# KiCad board pandore.kicad_pcb (continued)
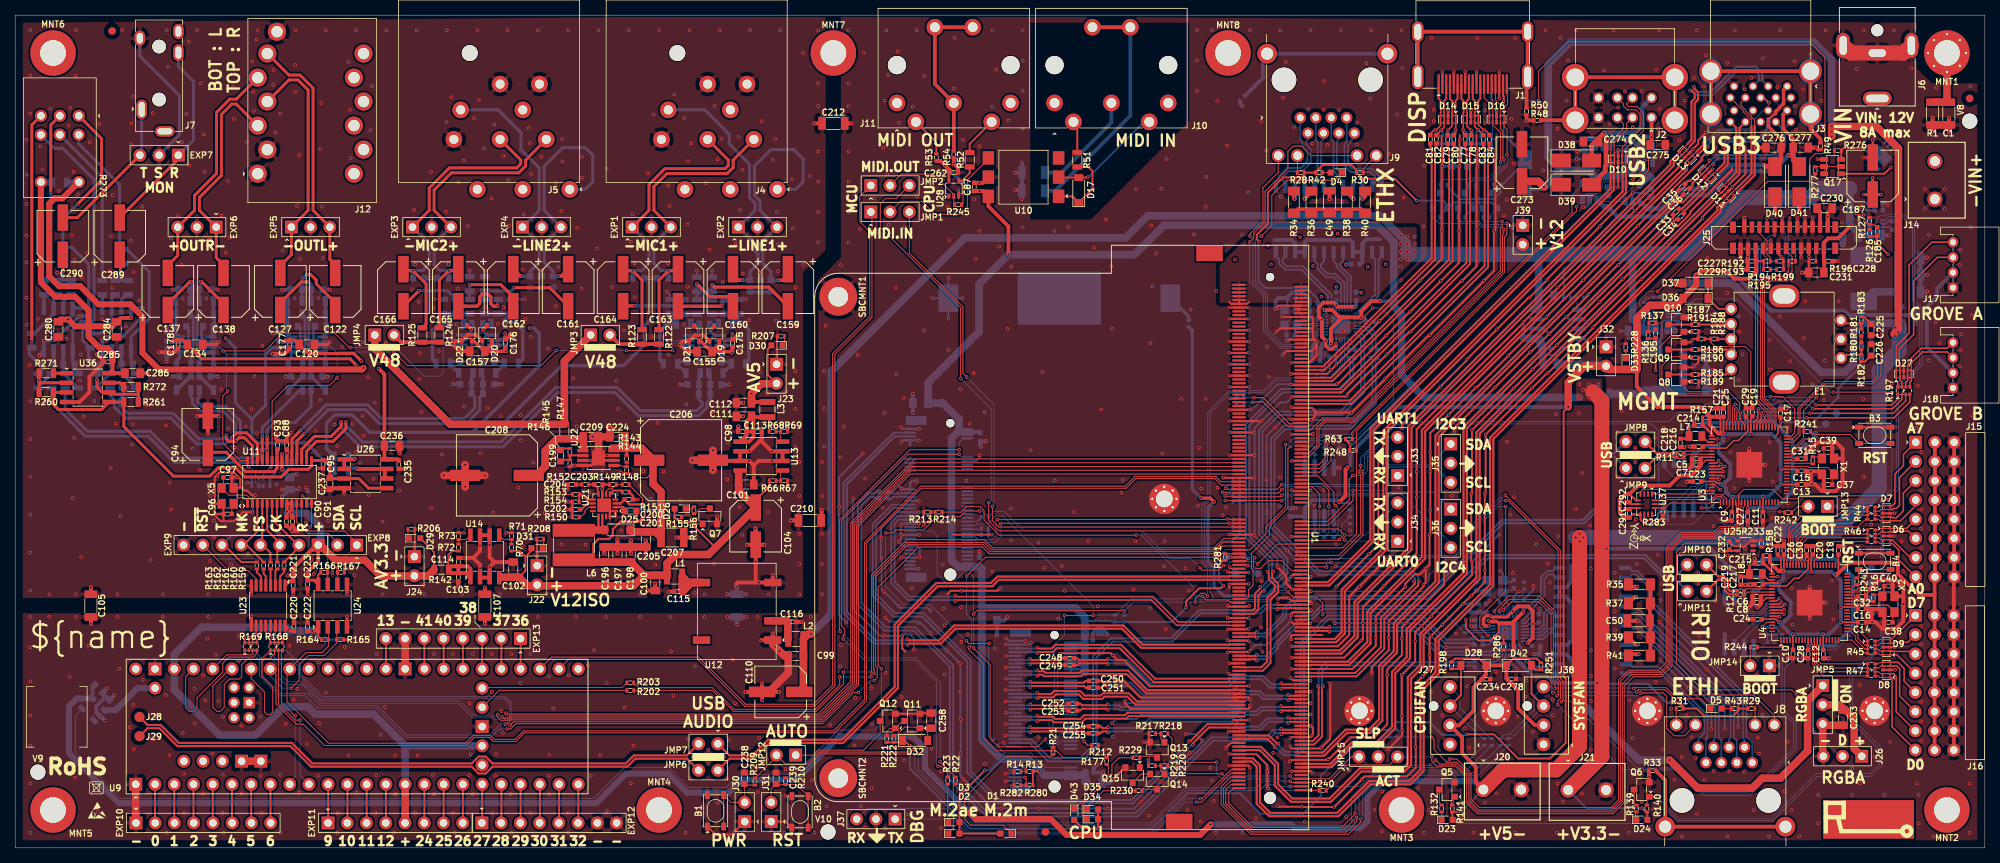
[diagram p0: board, top side]
## Routing (per net, layer and track width the routed paths; a pad name or vN(x,y) marks a point on that pad's centre or on a via; arc(x,y) is an arc through that point) (continued)
/Computer/USBP1.SSRX+: length 132.4
  Top w0.15: 224.55,85.95 225.16,86.56 D11.4 ; D11.4 225.84,87.26 226.31,87.73
  Top w0.2: D11.4 D11.4
  Top w0.28: J3.15 227.61,95.11 227.61,89.03 226.31,87.73 ; 224.55,85.95 193.31,54.71 193.31,35.51 185.91,28.11 185.91,24.01 184.26,22.36 184.26,10.97 183.38,10.09 177.69,10.09 173.69,6.09 168.41,6.09 166.28,8.21 166.28,10.91 164.29,12.91 162.31,12.91 162.28,12.88 U1.22
/Computer/USBP1.SSRX-: length 131.7
  Top w0.15: 224.25,86.25 224.9,86.9 D11.5 ; D11.5 225.49,87.51 226.01,88.03
  Top w0.2: D11.5 D11.5
  Top w0.28: J3.14 227.18,95.11 227.18,89.21 226.01,88.03 ; U1.24 162.28,13.38 162.31,13.34 164.46,13.34 166.72,11.09 166.72,8.39 168.59,6.51 173.51,6.51 177.51,10.51 183.2,10.51 183.84,11.15 183.84,22.54 185.49,24.19 185.49,28.29 192.88,35.69 192.88,54.89 224.25,86.25
/Computer/USBP1.SSTX+: length 98.8
  Top w0.28: C36.2 219.78,85.88 219.49,85.88 187.91,54.31 187.91,35.01 182.41,29.51 182.41,25.81 180.47,23.87 180.47,16.81 178.85,15.19 175.79,15.19 172.76,12.16 170.51,12.16 170.47,12.12 U1.19
/Computer/USBP1.SSTX-: length 98.4
  Top w0.28: C35.2 219.18,86.48 219.18,86.19 187.49,54.49 187.49,35.19 181.99,29.69 181.99,25.99 180.04,24.05 180.04,16.99 178.67,15.62 175.61,15.62 172.59,12.59 170.51,12.59 170.47,12.62 U1.21
/Computer/VUSB.EN: length 91.5
  Top w0.127: v1(205.5,85.4) 205.5,83.9 176.5,54.9 v1(176.5,54.71) R63.1 ; U1.128 162.97,39.38 165.1,41.5 165.1,42.4 167.7,45 v1(167.7,53.3) ; v1(213.55,88.3) 215.12,89.86 v1(215.12,90.78)
  Bottom w0.127: 206.9,87.6 205.5,86.2 v1(205.5,85.4) ; 206.9,87.6 207.6,86.9 209.2,86.9 209.5,87.2 209.5,87.8 209.7,88 212.5,88 212.55,87.95 U31.4 213.25,88.3 v1(213.55,88.3) ; 206.9,87.6 U32.4 ; U30.4 215.79,90.78 v1(215.12,90.78) 214.5,91.4 213.9,91.4 213.6,91.1 213.6,90.5 213.33,90.23 212.28,90.23 212.08,90.44 U29.4 ; v1(176.5,54.71) 176.39,54.6 172.4,54.6 171.9,54.1 168.8,54.1 168,53.3 v1(167.7,53.3)
/Display/_HDMI.CLK+: length 8.3
  Top w0.2: 192.68,97.81 192.7,97.78 192.7,97.14 192.65,97.09 D15.2 D15.2 192.65,95.3 C83.1
  Top w0.25: 192.68,97.81 192.68,98.67 192.4,98.95 J1.10
  Bottom w0.2: R56.7 192.88,94.57 v1(193.13,94.82)
/Display/_HDMI.CLK-: length 8.6
  Top w0.2: 193.12,97.81 193.1,97.78 193.1,97.14 193.15,97.09 D15.1 D15.1 193.15,95.53 193.83,94.85 v1(193.87,94.85) 194.03,94.85 194.6,94.28 C84.1
  Top w0.25: J1.12 193.4,98.95 193.12,98.67 193.12,97.81
  Bottom w0.2: v1(193.87,94.85) 193.43,94.41 R56.8
/Display/_HDMI.D0+: length 8.1
  Top w0.2: 191.18,97.82 191.2,97.8 191.2,97.14 191.15,97.09 D15.5 D15.5 191.15,94.4 C77.1
  Top w0.25: J1.7 190.9,98.95 191.18,98.67 191.18,97.82
  Bottom w0.2: R56.5 191.83,94.17 v1(191.15,94.85)
/Display/_HDMI.D0-: length 8
  Top w0.2: 191.62,97.82 191.6,97.8 191.6,97.14 191.65,97.09 D15.4 D15.4 191.65,95.33 v1(192.19,94.79) 192.19,94.16 C78.1
  Top w0.25: J1.9 191.9,98.95 191.62,98.67 191.62,97.82
  Bottom w0.2: v1(192.19,94.79) 192.38,94.6 R56.6
/Display/_HDMI.D1+: length 8
  Top w0.2: 189.68,97.82 189.7,97.8 189.7,97.14 189.65,97.09 D14.2 D14.2 189.65,95.33 v1(189.13,94.81) 189.1,94.78 C79.1
  Top w0.25: 189.68,97.82 189.68,98.67 189.4,98.95 J1.4
  Bottom w0.2: R55.7 188.96,94.64 v1(189.13,94.81)
/Display/_HDMI.D1-: length 8.1
  Top w0.2: C80.1 190.15,94.4 D14.1 D14.1 190.15,97.09 190.1,97.14 190.1,97.8 190.12,97.82
  Top w0.25: J1.6 190.4,98.95 190.12,98.67 190.12,97.82
  Bottom w0.2: R55.8 189.51,94.19 v1(190.15,94.83)
/Display/_HDMI.D2+: length 8.7
  Top w0.2: 188.18,97.82 188.2,97.8 188.2,97.14 188.15,97.09 D14.5 D14.5 188.15,95.4 187.57,94.82 v1(187.42,94.82) 187.36,94.88 187.33,94.88 186.8,94.35 C81.1
  Top w0.25: J1.1 187.9,98.95 188.18,98.67 188.18,97.82
  Bottom w0.2: v1(187.42,94.82) 187.91,94.33 R55.5
/Display/_HDMI.D2-: length 8.2
  Top w0.2: C82.1 188.65,95.2 D14.4 D14.4 188.65,97.09 188.6,97.14 188.6,97.8 188.62,97.82
  Top w0.25: 188.62,97.82 188.62,98.67 188.9,98.95 J1.3
  Bottom w0.2: R55.6 188.46,94.58 v1(188.25,94.8)
/External Ethernet/ETH.VCORE: length 21.7
  Top w0.4: v1(174.36,66.57) 174.36,66.41 173.84,65.89 173.42,65.89 173,66.31 v1(173,67)
  Top w0.5: v1(176.82,71.48) 174.6,71.48 v1(174.38,71.7) 174.05,72.03 172.68,72.03 172.07,71.42 172.07,70.21 v1(172.5,69.78) 172.5,67.5 v1(173,67)
  Bottom w0.2: U7.8 176.42,71.08 v1(176.82,71.48) ; U7.24 173.43,67.28 173.13,66.98 173.04,66.98 ; U7.22 174.38,66.64 ; U7.3 v1(174.38,71.7) ; U7.30 v1(172.5,69.78)
  Bottom w0.25: v1(174.36,66.57) 174.36,66.62 174.38,66.64 ; 173.12,66.98 173.1,67 v1(173,67)
  Bottom w0.5: v1(176.82,71.48) 177.01,71.67 C57.2 ; v1(172.5,69.78) 172.1,69.78 C59.2 ; C53.2 174.36,65.96 174.36,66.57 ; C65.2 172.29,64.33 C63.2 172.29,65.99 C61.2 172.56,66.56 v1(173,67) ; v1(174.38,71.7) C55.2
/External Ethernet/ETHPCIE.RX+: length 5.4
  Bottom w0.15: U7.13 177.24,68.98 177.3,68.93 177.63,68.93 177.75,68.81 178.08,68.81
  Bottom w0.25: C41.1 179.61,66 179.61,67.97 178.77,68.81 178.08,68.81
/External Ethernet/ETHPCIE.RX-: length 4.6
  Bottom w0.15: 178.08,68.36 177.71,68.36 177.48,68.58 U7.14
  Bottom w0.25: C42.1 179.16,66 179.16,67.79 178.59,68.36 178.08,68.36
/External Ethernet/ETHPCIE.TX+: length 1.7
  Bottom w0.15: U7.17 176.38,66.58 176.81,66.16 C45.1
/External Ethernet/ETHPCIE.TX-: length 1.5
  Bottom w0.15: U7.18 175.98,65.83 C46.1
/External Ethernet/MDI0+: length 11.9
  Bottom w0.15: U7.1 173.56,71.1 173.56,71.38 173.31,71.64 173.31,72.09
  Bottom w0.25: T1.12 166.41,78.16 166.82,77.75 166.82,77.16 167.61,76.38 169.81,76.38 173.31,72.88 173.31,72.09
/External Ethernet/MDI0-: length 11.8
  Bottom w0.15: U7.2 173.98,71.38 173.75,71.61 173.75,72.09
  Bottom w0.25: 173.75,72.09 173.75,73.06 169.99,76.83 167.79,76.83 167.28,77.34 167.28,77.75 167.69,78.16 T1.11
/External Ethernet/MDI1+: length 9.8
  Bottom w0.15: U7.4 174.78,71.39 175,71.62 175,72.08
  Bottom w0.25: T1.8 171.5,77.48 171.91,77.07 171.91,76.53 173.05,75.39 174.08,75.39 175,74.46 175,72.08
/External Ethernet/MDI1-: length 9.8
  Bottom w0.15: 175.46,72.08 175.46,71.67 175.18,71.4 U7.5
  Bottom w0.25: 172.76,78.68 172.76,77.48 172.35,77.07 172.35,76.71 173.23,75.83 174.26,75.83 175.46,74.64 175.46,72.08
/External Ethernet/MDI2+: length 8.5
  Bottom w0.15: 175.85,72.08 175.85,71.68 175.58,71.41 U7.6
  Bottom w0.25: 175.85,72.08 175.85,75.29 174.44,76.7 174.44,77.07 174.03,77.48 T1.6
/External Ethernet/MDI2-: length 8.5
  Bottom w0.15: U7.7 175.98,71.36 176.31,71.69 176.31,72.08
  Bottom w0.25: 176.31,72.08 176.31,75.47 174.89,76.88 174.89,77.07 175.3,77.48 T1.5
/External Ethernet/MDI3+: length 9.5
  Bottom w0.15: U7.9 177.03,70.58 177.42,70.97
  Bottom w0.25: T1.2 179.12,78.16 179.53,77.75 179.53,73.08 177.42,70.97
/External Ethernet/MDI3-: length 10.2
  Bottom w0.15: 177.73,70.65 177.56,70.65 177.09,70.18 U7.10
  Bottom w0.25: 177.73,70.65 179.97,72.89 179.97,77.75 180.38,78.16 180.38,78.68
/External Ethernet/PAIR0+: length 12.3
  Bottom w0.2: 170.57,91.1 170.57,92.11 169.93,92.76 169.93,93.28 169.64,93.56 J9.1
  Bottom w0.25: 170.57,91.1 170.57,90.69 169.71,89.83 167.91,89.83 166.82,88.74 166.82,88.25 166.41,87.84 T1.13
/External Ethernet/PAIR0-: length 10.3
  Bottom w0.2: J9.2 170.66,93.56 170.38,93.28 170.38,92.94 171.03,92.29 171.03,91.1
  Bottom w0.25: 171.03,91.1 171.03,90.51 169.89,89.38 168.09,89.38 167.28,88.56 167.28,88.25 167.69,87.84 T1.14
/External Ethernet/PAIR1+: length 9.3
  Bottom w0.2: J9.3 171.68,93.52 171.93,93.28 171.93,90.8
  Bottom w0.25: 171.93,90.8 171.91,90.78 171.91,88.38 171.5,87.97 T1.17
/External Ethernet/PAIR1-: length 7.3
  Bottom w0.2: 172.38,90.8 172.38,93.28 172.7,93.6 J9.4
  Bottom w0.25: 172.76,87.44 172.76,87.97 172.35,88.38 172.35,90.61 172.38,90.63 172.38,90.8
/External Ethernet/PAIR2+: length 9.5
  Bottom w0.2: J9.5 173.72,93.68 174.03,93.38 174.03,90.8
  Bottom w0.25: 174.03,90.8 174.03,89.46 174.44,89.04 174.44,88.38 174.03,87.97 T1.19
/External Ethernet/PAIR2-: length 7.4
  Bottom w0.2: 174.47,90.8 174.47,93.38 174.74,93.64 J9.6
  Bottom w0.25: T1.20 175.31,87.97 174.9,88.38 174.9,89.22 174.47,89.64 174.47,90.8
/External Ethernet/PAIR3+: length 12.5
  Bottom w0.2: 175.47,90.8 175.47,92.99 175.76,93.28 J9.7
  Bottom w0.25: 175.47,90.8 175.47,90.11 176.31,89.28 178.91,89.28 179.53,88.66 179.53,87.85 T1.23
/External Ethernet/PAIR3-: length 10.7
  Bottom w0.2: 175.93,90.8 175.93,92.81 176.3,93.18 176.3,93.4 176.78,93.88 J9.8
  Bottom w0.25: 175.93,90.8 175.93,90.29 176.49,89.72 179.09,89.72 179.98,88.84 179.98,87.85 180.38,87.45
/Internal Ethernet/ETH.VCORE: length 23.8
  Top w0.4: v1(194.5,29.3) 194.1,29.3 193.8,29.6 193.8,30.3 194.15,30.65 v1(194.75,30.65) 194.9,30.5 196.93,30.5 v1(197.7,31.27)
  Top w0.5: v1(199.66,27.08) 200.32,27.73 v1(200.32,29.59) 200.32,31.28 199.7,31.9 198.33,31.9 v1(197.7,31.27)
  Bottom w0.2: U8.22 v1(194.5,29.3) ; v1(194.5,29.3) 194.15,29.3 194.13,29.27 C54.2 ; v1(194.5,29.3) 194.3,29.3 ; C62.2 194.28,31.12 195.2,30.2 U8.24 ; 199.57,27.17 200.08,26.67 C58.2 ; 199.57,27.17 199.45,27.3 U8.8 ; 199.57,27.17 199.66,27.09 v1(199.66,27.08) ; C60.2 197.7,31.58 v1(197.7,31.27) U8.30 ; C56.2 200.9,29.59 v1(200.32,29.59) 199.9,29.59 199.61,29.3 U8.3
  Bottom w0.5: C62.2 C64.2 C66.2
/Internal Ethernet/ETHPCIE.RX+: length 5.2
  Bottom w0.15: 196.76,25.89 196.76,26.28 196.9,26.41 U8.13
  Bottom w0.25: C43.1 193.95,24.07 195.59,24.07 196.76,25.25 196.76,25.89
/Internal Ethernet/ETHPCIE.RX-: length 4.4
  Bottom w0.15: U8.14 196.5,26.41 196.31,26.22 196.31,25.89
  Bottom w0.25: C44.1 193.95,24.52 195.4,24.52 196.31,25.43 196.31,25.89
/Internal Ethernet/ETHPCIE.TX+: length 1.7
  Bottom w0.25: C47.1 194.52,26.87 194.94,27.3 U8.17
/Internal Ethernet/ETHPCIE.TX-: length 1.7
  Bottom w0.25: C48.1 193.92,27.48 194.57,27.48 194.79,27.7 U8.18
/Internal Ethernet/MDI0+: length 9.7
  Bottom w0.25: 199,30.1 199.08,30.1 200,31.03 200,32.01 201.41,33.41 201.41,35.73 202.25,36.58 202.95,36.58 203.36,36.98 T2.12
/Internal Ethernet/MDI0-: length 9.6
  Bottom w0.25: T2.11 203.36,35.72 202.95,36.12 202.43,36.12 201.85,35.55 201.85,33.23 200.46,31.83 200.46,30.84 199.34,29.73 199.03,29.73
/Internal Ethernet/MDI1+: length 7
  Bottom w0.2: U8.4 199.87,28.9 199.9,28.92
  Bottom w0.25: T2.8 203.36,31.91 202.95,31.5 202.28,31.5 201.78,30.99 201.78,29.43 201.27,28.92 199.9,28.92
/Internal Ethernet/MDI1-: length 7
  Bottom w0.2: 199.9,28.47 199.87,28.5 U8.5
  Bottom w0.25: 199.9,28.47 201.38,28.47 202.22,29.33 202.22,30.81 202.46,31.05 202.95,31.05 203.36,30.64 T2.7
/Internal Ethernet/MDI2+: length 5.5
  Bottom w0.2: 199.9,28.03 199.82,28.1 U8.6
  Bottom w0.25: T2.6 203.36,29.36 202.95,28.95 202.44,28.95 201.51,28.03 199.9,28.03
/Internal Ethernet/MDI2-: length 5.5
  Bottom w0.2: U8.7 199.73,27.7 199.85,27.58 199.9,27.58
  Bottom w0.25: T2.5 203.36,28.09 202.95,28.5 202.62,28.5 201.69,27.58 199.9,27.58
/Internal Ethernet/MDI3+: length 7.1
  Bottom w0.25: T2.2 202.83,24.28 202.42,23.88 200.83,23.88 198.81,25.9 198.81,26.5 198.53,26.78
/Internal Ethernet/MDI3-: length 7.8
  Bottom w0.25: T2.1 202.83,23.02 202.42,23.42 200.65,23.42 198.41,25.66 198.41,26.07 198.13,26.35 198.13,26.78
/Internal Ethernet/PAIR0+: length 33.4
  Bottom w0.2: J8.1 229.3,13.91 228.53,14.69 228.53,17.01
  Bottom w0.25: T2.13 213.04,36.98 213.45,36.58 214.14,36.58 216.03,34.69 216.03,32.59 228.53,20.09 228.53,17.19 228.53,17.18 228.53,17.01
/Internal Ethernet/PAIR0-: length 30.4
  Bottom w0.2: 228.08,17.01 228.08,14.49 228.28,14.28 J8.2
  Bottom w0.25: T2.14 213.04,35.72 213.45,36.12 213.96,36.12 215.57,34.51 215.57,32.41 228.07,19.91 228.07,17.01 228.08,17.01
/Internal Ethernet/PAIR1+: length 27.4
  Bottom w0.2: 226.88,17.01 226.88,14.53 227.26,14.16 J8.3
  Bottom w0.25: T2.17 213.17,31.91 213.58,31.5 214.32,31.5 226.88,18.94 226.88,17.01
/Internal Ethernet/PAIR1-: length 24.6
  Bottom w0.2: J8.4 226.24,14.34 226.43,14.53 226.43,17.01
  Bottom w0.25: 226.43,17.01 226.43,18.75 214.14,31.05 213.58,31.05 213.17,30.64 T2.18
/Internal Ethernet/PAIR2+: length 24.3
  Bottom w0.2: 224.88,17.01 224.88,14.53 225.22,14.2 J8.5
  Bottom w0.25: 224.88,17.01 224.88,18.74 214.66,28.95 213.58,28.95 213.17,29.36 T2.19
/Internal Ethernet/PAIR2-: length 21.4
  Bottom w0.2: 224.43,17.01 224.43,14.53 224.2,14.31 J8.6
  Bottom w0.25: 224.43,17.01 224.43,18.55 214.48,28.5 213.58,28.5 213.17,28.09 T2.20
/Internal Ethernet/PAIR3+: length 19.9
  Bottom w0.2: 223.43,17.01 223.37,16.95 223.37,14.58 223.18,14.39 J8.7
  Bottom w0.25: T2.23 213.17,24.28 213.58,23.88 217.04,23.88 223.43,17.49 223.43,17.01
/Internal Ethernet/PAIR3-: length 17.4
  Bottom w0.2: 222.98,17.01 222.98,15.17 222.16,14.35 J8.8
  Bottom w0.25: T2.24 213.17,23.02 213.58,23.42 216.86,23.42 222.98,17.3 222.98,17.01
/M.2/AE.PET0+: length 3.1
  Bottom w0.25: J19.35 117.51,46.85 117.49,46.83 115.83,46.83 115.6,47.05 C256.1
/M.2/AE.PET0-: length 3.1
  Bottom w0.25: J19.37 117.51,46.35 117.49,46.38 115.83,46.38 115.6,46.15 C257.1
/M.2/M.PET0+: length 9.9
  Top w0.25: C255.1 141.3,15.15 141.07,15.37 134.14,15.37 v1(134.01,15.25)
  Bottom w0.25: v1(134.01,15.25) 133.88,15.37 132.8,15.38 132.78,15.35 J13.49
/M.2/M.PET0-: length 9.9
  Top w0.25: v1(134.01,15.95) 134.14,15.83 141.07,15.82 141.3,16.05 C254.1
  Bottom w0.25: J13.47 132.78,15.85 132.8,15.82 133.88,15.83 v1(134.01,15.95)
/M.2/M.PET1+: length 7.4
  Top w0.2: C253.1 138.82,18.38 138.08,18.37 138.08,18.38 137.64,18.38 137.64,18.37 134.14,18.37 v1(134.01,18.25) 134.14,18.37
  Bottom w0.25: v1(134.01,18.25) 133.88,18.37 132.8,18.38 132.78,18.35 J13.37
/M.2/M.PET1-: length 7.4
  Top w0.2: C252.1 138.82,18.82 134.14,18.83 v1(134.01,18.95) 134.14,18.82 134.14,18.83
  Bottom w0.25: v1(134.01,18.95) 133.88,18.83 132.8,18.82 132.78,18.85 J13.35
/M.2/M.PET2+: length 9.9
  Top w0.25: C251.1 141.3,21.15 141.07,21.38 134.13,21.38 v1(134,21.25)
  Bottom w0.25: v1(134,21.25) 133.87,21.37 132.05,21.37 J13.25
/M.2/M.PET2-: length 9.9
  Top w0.25: v1(134,21.95) 134.13,21.82 141.07,21.82 141.3,22.05 C250.1
  Bottom w0.25: J13.23 132.05,21.82 133.87,21.82 v1(134,21.95)
/M.2/M.PET3+: length 6.8
  Top w0.25: v1(133.99,24.25) 134.12,24.37 137.97,24.37 137.97,24.38 138.2,24.15 C249.1
  Bottom w0.25: J13.13 132.05,24.37 133.86,24.37 v1(133.99,24.25)
/M.2/M.PET3-: length 6.8
  Top w0.25: v1(133.99,24.95) 134.12,24.82 137.97,24.82 138.2,25.05 C248.1
  Bottom w0.25: J13.11 132.05,24.82 133.86,24.82 v1(133.99,24.95)
/Mgmt MCU/ENC.A: length 22.3
  Top w0.127: C226.1 245.43,65.03 245.8,64.65 245.8,62.3 245.1,61.6 238.84,61.6 235.35,58.11 235.35,54.75 234.6,54 U3.39
  Top w0.25: R182.1 244.18,64.22 C226.1
/Mgmt MCU/ENC.B: length 27.3
  Top w0.127: C225.1 245.07,69.23 246.3,68 246.3,62.4 245.2,61.3 238.9,61.3 235.6,58 235.6,54.5 234.7,53.6 U3.38
  Top w0.25: C225.1 244.03,70.17 R183.1
/Mgmt MCU/ENC.BLUE: length 23.4
  Top w0.127: U3.58 225.9,56.38 226.11,56.59 226.11,59.01 225.41,59.71 218.82,59.71 217.1,61.43 217.1,66.19 218.4,67.49 219.47,67.49 220.16,68.18 Q10.1
  Top w0.25: 221.32,68.22 220.32,68.22 Q10.1
/Mgmt MCU/ENC.BTN: length 23.6
  Top w0.127: v1(229.1,60) 229.1,65.5 228.39,66.21 224.39,66.21 223.82,66.78 223.82,67.22 ; v1(231.7,59.6) 233.3,59.6 234.9,58 234.9,54.8 234.5,54.4 U3.40
  Top w0.25: 223.82,67.22 R184.1
  Bottom w0.127: v1(229.1,60) 229.4,60 229.8,59.6 v1(231.7,59.6)
/Mgmt MCU/ENC.GREEN: length 20.2
  Top w0.127: U3.57 226.3,56.25 226.37,56.32 226.37,59.17 225.57,59.97 219.06,59.97 217.38,61.65 217.38,63.69 218.56,64.88 Q9.1
  Top w0.25: 221.32,64.72 220.43,64.72 Q9.1
/Mgmt MCU/ENC.RED: length 13.5
  Top w0.127: Q8.1 220.28,60.84 220.87,60.25 226.19,60.25 227.64,58.8 227.64,57.89 227.23,57.49 227.23,56.55 227.5,56.28 U3.54
  Top w0.25: Q8.1 220.32,61.62 221.32,61.62
/Mgmt MCU/GROVEA.PRIM: length 24.7
  Top w0.2: R197.1 248.5,59.3 247.7,58.5 v1(237.7,58.5) ; v1(227.71,57.37) 227.65,57.31 227.65,56.6 228.3,55.95 U3.52
  Bottom w0.2: v1(227.71,57.37) 227.71,57.41 228.36,58.06 229.33,58.06 229.87,58.6 232.4,58.6 232.8,59 237.2,59 v1(237.7,58.5)
/Mgmt MCU/GROVEA.SEC: length 23.2
  Top w0.2: v1(230.1,57.98) 230.03,57.91 230.03,56.74 229.5,56.21 U3.49 ; R197.2 249.05,59.25 247.8,58 v1(237.3,58)
  Bottom w0.2: v1(230.1,57.98) 232.58,57.98 233.13,58.53 236.77,58.53 v1(237.3,58)
/Mgmt MCU/GROVEA.V+: length 6.7
  Bottom w0.5: PTC1.2 252.35,71.45 253.7,72.8 253.7,73.9 J17.3
/Mgmt MCU/GROVEB.PRIM: length 31.7
  Top w0.127: U3.56 226.7,58.26 v1(227.02,58.58)
  Top w0.2: v1(236.9,57.4) 247.9,57.4 249.55,59.05 R197.3 ; U3.48 229.9,56.07 230.49,56.66 v1(230.49,57.42)
  Bottom w0.127: v1(227.02,58.58) 227.34,58.58 227.62,58.3 227.62,57.87 227.25,57.5 227.25,57.19 227.5,56.94 227.88,56.94 228.51,57.57 229.83,57.57 229.98,57.42 v1(230.49,57.42)
  Bottom w0.2: v1(236.9,57.4) 236.86,57.44 233.37,57.44 233.21,57.6 230.67,57.6 v1(230.49,57.42)
/Mgmt MCU/GROVEB.SEC: length 31.1
  Top w0.127: U3.55 227.1,56.15 226.98,56.27 226.98,57.83 v1(227.17,58.01)
  Top w0.2: R197.4 250.1,58.9 248,56.8 v1(236.5,56.8) ; U3.47 230.3,56.01 230.95,56.66 v1(230.95,57.07)
  Bottom w0.127: v1(230.95,57.07) 230.83,56.94 229.87,56.94 229.59,57.22 228.62,57.22 228.09,56.69 227.39,56.69 226.95,57.13 226.95,57.8 v1(227.17,58.01)
  Bottom w0.2: v1(236.5,56.8) 233.2,56.8 232.93,57.07 v1(230.95,57.07) 230.96,57.07
/Mgmt MCU/GROVEB.V+: length 8.1
  Bottom w0.5: PTC2.2 252.35,66.2 J18.3
/Mgmt MCU/IMU.IRQ1: length 9.9
  Top w0.127: U3.79 223.3,47.2 223.15,47.35 214.89,47.35 214.55,47.01 U37.4
/Mgmt MCU/IMU.IRQ2: length 13.4
  Top w0.127: U37.9 215.05,43.45 215.3,43.2 216.3,43.2 216.8,43.7 216.8,44.07 217.13,44.4 225.5,44.4 226.3,45.2 U3.4
/Mgmt MCU/IMU.MISO: length 11.3
  Top w0.127: U3.1 224.45,45.65 223.7,44.9 v1(222.6,44.9) ; 222.7,46.72 v1(222.69,46.72) 222.66,46.75 U37.1
  Bottom w0.127: v1(222.69,46.72) 222.69,46.72 222.69,44.99 v1(222.6,44.9)
/Mgmt MCU/IMU.MOSI: length 7.9
  Top w0.127: U3.80 223.4,46.8 222.9,46.3 217.59,46.3 217.19,45.9 U37.14
/Mgmt MCU/IMU.SCK: length 10.7
  Top w0.127: U37.13 217.4,45.4 218,46 223.89,46 224.55,46.65 225.31,46.65 225.9,46.06 U3.3
/Mgmt MCU/IMU.~{SS}: length 10.3
  Top w0.127: U37.12 217.45,44.9 R283.2 217.75,44.85 218.45,45.55 223.8,45.55 224.65,46.4 225.15,46.4 225.5,46.05 U3.2
/Mgmt MCU/MCU/__USB.D+: length 3.9
  Top w0.127: R11.3 220.34,51.6 220.73,51.99 223.94,51.99 U3.67
/Mgmt MCU/MCU/__USB.D-: length 3.8
  Top w0.127: R11.4 220.46,52.41 223.94,52.41 U3.66
/Mgmt MCU/MCU/_USB.D+: length 4.9
  Top w0.28: JMP9.2 216.69,51.69 218.89,51.69 218.97,51.6 R11.2
/Mgmt MCU/MCU/_USB.D-: length 4.9
  Top w0.28: JMP8.2 216.69,52.11 218.89,52.11 218.97,52.2 R11.1
/Mgmt MCU/MCU/GPIO0: length 2.5
  Top w0.127: U3.77 224.35,48 225.04,47.31 v1(225.09,47.31)
  Bottom w0.127: R236.1 224.46,47.31 v1(225.09,47.31)
/Mgmt MCU/MCU/QSPI.D0: length 12.1
  Top w0.2: v1(225.68,50.37) 225.53,50.37 225.35,50.2 225.35,50.2 225.15,50 U3.72
  Bottom w0.127: U5.5 217.69,50.2 219,48.89 222.41,48.89 223.67,50.14 225.45,50.14 v1(225.68,50.37)
/Mgmt MCU/MCU/QSPI.D1: length 9.4
  Top w0.2: U3.74 225.3,49.2 225.43,49.08 v1(225.5,49.08)
  Bottom w0.127: 220.24,44.7 220.24,45.8 223.56,49.12 225.33,49.12 225.38,49.08 v1(225.5,49.08)
/Mgmt MCU/MCU/QSPI.D2: length 10.7
  Top w0.2: v1(225.53,49.7) 225.43,49.6 U3.73
  Bottom w0.127: v1(225.53,49.7) 223.72,49.7 221.8,47.78 221.25,47.78 218.96,45.48 U5.3
/Mgmt MCU/MCU/QSPI.D3: length 8.1
  Top w0.2: U3.70 224.56,50.8 224.85,51.09 v1(224.85,51.15)
  Bottom w0.127: v1(224.85,51.15) 224.59,50.89 223.69,50.89 222.2,49.4 220.65,49.4 220.24,49.82 220.24,51.3
/Mgmt MCU/MCU/QSPI.SCK: length 9.5
  Top w0.2: U3.71 224.91,50.4 v1(225.16,50.66)
  Bottom w0.127: v1(225.16,50.66) 224.91,50.4 223.56,50.4 222.31,49.14 220.3,49.14 218.97,50.48 U5.6
/Mgmt MCU/MCU/QSPI.~{CS}: length 6
  Bottom w0.127: U5.1 221.5,46.6 222.8,47.9 R238.2 R236.2 R231.1
/Mgmt MCU/MCU/VCORE: length 41.9
  Top w0.2: U3.65 225.85,52.8 226.85,53.8 227.45,53.8 228.7,55.05 U3.51 228.7,56.31 v1(228.57,56.44) ; C31.2 235.06,51.2 U3.32 ; U3.10 C27.2
  Top w0.35: v1(228.57,56.44) 228.47,56.54 C29.2 ; v1(220.8,55.7) 220.95,55.55 L7.2 220.6,54.05 C218.2
  Bottom w0.5: v1(220.8,55.7) 222.23,55.7 222.67,56.14 228.27,56.14 v1(228.57,56.44) 228.66,56.35 232.05,56.35 234.63,53.77 234.63,51.34 v1(234.66,51.31) 234.63,51.27 234.63,47.13 232.43,44.92 228.73,44.92 v1(228.72,44.91)
/Mgmt MCU/RGBA.D: length 8.2
  Top w0.127: U25.2 230.35,39.9 R233.1 230.85,39.75 231.29,40.19 231.29,41.26 230.08,42.47 230.08,44.78 230.3,45 U3.14
/Mgmt MCU/RGBA.O: length 52.5
  Top w0.127: v1(235.2,20.2) 234.53,20.87 222.75,20.87 219.3,24.32 219.3,39.1 220.44,40.24 224.74,40.24 225.56,41.06 226.89,41.06 U25.4
  Bottom w0.127: J26.2 240.9,12.1 236.8,16.2 236.8,19 235.6,20.2 v1(235.2,20.2)
/Mgmt MCU/SDISP.MOSI: length 33.2
  Top w0.127: 234.1,76.8 234.1,76.7 ; 234.1,76.8 R199.2 ; 234.1,76.8 234.1,76.15 233.45,75.5 231.2,75.5 230.39,74.69 230.39,59.27 231.88,57.78 231.88,56.43 231.5,56.05 U3.44 ; v1(234.25,83.2) J25.14
  Bottom w0.127: v1(234.1,76.9) 234.1,83.05 v1(234.25,83.2)
/Mgmt MCU/SDISP.SCK: length 27.7
  Top w0.127: U3.43 231.9,56.06 232.17,56.33 232.17,57.85 230.65,59.37 230.65,74.55 231.29,75.19 233.58,75.19 234.55,76.16 234.55,78.11 233.75,78.91 J25.13
/Mgmt MCU/SDISP.~{LATCH}: length 29
  Top w0.127: 229.7,75 v1(229.6,74.9) 229.72,74.78 229.72,59.01 231.37,57.35 231.37,56.66 230.7,55.99 U3.46 ; J25.10 v1(232.25,80.9)
  Bottom w0.127: v1(232.25,80.9) 231.68,80.9 230.11,79.33 230.11,75.81 229.97,75.67 229.97,75.3 229.6,74.93 v1(229.6,74.9)
/Mgmt MCU/SDISP.~{RST}: length 27.5
  Top w0.127: J25.9 v1(231.75,80.3) ; v1(230.4,75.5) 230.4,75.11 230.01,74.72 230.01,59.16 231.63,57.54 231.63,56.56 231.1,56.03 U3.45
  Bottom w0.127: v1(230.4,75.5) 230.4,79.09 231.61,80.3 v1(231.75,80.3)
/Mgmt MCU/SDISP.~{SS}: length 34.1
  Top w0.127: v1(231.25,83.2) J25.8 ; v1(234.55,75.5) 233.94,74.89 231.39,74.89 230.9,74.4 230.9,59.48 232.42,57.96 232.42,56.22 232.3,56.1 U3.42
  Bottom w0.127: v1(234.55,75.5) 233.65,76.4 233.65,81.2 231.65,83.2 v1(231.25,83.2)
/MIDI/MIDI.RX: length 19.7
  Top w0.127: JMP1.2 116.89,85.4 119.7,85.4 121.4,83.7 124.7,83.7 125.7,84.7 125.7,88.25 128.47,91.02 U10.4 128.47,90.9
/MIDI/MIDI.TX: length 11.5
  Top w0.127: R245.1 123.9,85.07 U28.2 123.9,86.3 121.2,89 116.99,89 JMP2.2
/Real-Time MCU/MCU/__USB.D+: length 3.9
  Top w0.127: U4.67 231.91,33.79 228.7,33.79 228.32,33.4 R12.3
/Real-Time MCU/MCU/__USB.D-: length 3.8
  Top w0.127: R12.4 228.44,34.21 231.91,34.21 U4.66
/Real-Time MCU/MCU/_USB.D+: length 6.2
  Top w0.28: JMP11.2 224.8,35.44 225.36,35.44 225.69,35.11 225.69,34.01 226.21,33.48 226.86,33.48 226.95,33.4 227.32,33.4
/Real-Time MCU/MCU/_USB.D-: length 6.2
  Top w0.28: 227.32,34 226.95,34 226.86,33.92 226.39,33.92 226.12,34.19 226.12,35.29 225.54,35.86 224.8,35.86 JMP10.2
/Real-Time MCU/MCU/GPIO0: length 2.3
  Top w0.127: U4.77 231.2,29.8 v1(230.62,29.22)
  Bottom w0.127: v1(230.62,29.22) 231.21,29.22 R237.1
/Real-Time MCU/MCU/QSPI.D0: length 12.1
  Top w0.2: U4.72 231.93,31.8 233.12,31.8 233.32,32 233.33,32 233.5,32.17 v1(233.65,32.17)
  Bottom w0.127: U6.5 225.67,32 226.98,30.69 230.39,30.69 231.64,31.94 233.42,31.94 v1(233.65,32.17)
/Real-Time MCU/MCU/QSPI.D1: length 9.4
  Top w0.2: v1(233.47,30.88) 233.4,30.88 233.27,31 U4.74
  Bottom w0.127: U6.2 228.21,27.6 231.53,30.92 233.3,30.92 233.35,30.88 v1(233.47,30.88)
/Real-Time MCU/MCU/QSPI.D2: length 10.7
  Top w0.2: v1(233.5,31.5) 233.4,31.4 U4.73
  Bottom w0.127: U6.3 226.93,27.28 229.22,29.58 229.78,29.58 231.7,31.5 v1(233.5,31.5)
/Real-Time MCU/MCU/QSPI.D3: length 8.1
  Top w0.2: v1(232.82,32.95) 232.82,32.89 232.54,32.6 U4.70
  Bottom w0.127: v1(232.82,32.95) 232.57,32.69 231.67,32.69 230.18,31.2 228.63,31.2 228.21,31.62 U6.7
/Real-Time MCU/MCU/QSPI.SCK: length 9.5
  Top w0.2: U4.71 232.88,32.2 v1(233.14,32.46)
  Bottom w0.127: U6.6 226.94,32.28 228.28,30.95 230.28,30.94 231.54,32.2 232.88,32.2 v1(233.14,32.46)
/Real-Time MCU/MCU/QSPI.~{CS}: length 4.1
  Bottom w0.127: U6.1 230.56,26.5 R232.1 231.3,28.18 R237.2 R239.2
/Real-Time MCU/MCU/VCORE: length 41.7
  Top w0.2: U4.65 233.82,34.6 234.82,35.6 235.42,35.6 236.67,36.85 U4.51 236.67,38.01 236.55,38.14 v1(236.55,38.15) ; U4.32 243.04,33 C32.2 ; U4.10 C28.2
  Top w0.35: 236.47,38.75 236.48,38.21 236.49,38.19 236.5,38.19 v1(236.55,38.15) ; C219.2 228.57,35.85 L8.2 228.93,37.35 v1(228.77,37.5)
  Bottom w0.5: v1(228.77,37.5) 229.99,37.5 230.64,38.15 v1(236.55,38.15) 240.26,38.15 242.59,35.82 242.59,33.15 v1(242.6,33.13) 242.6,29.2 240.12,26.72 v1(236.68,26.72)
/Real-Time MCU/RTIO.AIO0: length 8.7
  Top w0.127: R46.4 244.45,40.46 240.02,40.46 237.48,37.91 U4.49
/Real-Time MCU/RTIO.AIO1: length 12
  Top w0.127: R46.3 236.63,40.95 235.87,40.19 235.87,40.15 ; 235.87,40.15 235.87,40.2 ; 235.87,40.15 235.87,38.12 236.27,37.72 U4.52
/Real-Time MCU/RTIO.AIO2: length 12.6
  Top w0.127: 235.88,37.35 235.88,37.69 235.62,37.95 235.62,40.52 236.55,41.45 R46.2
/Real-Time MCU/RTIO.AIO3: length 13.2
  Top w0.127: U4.54 235.47,37.69 235.33,37.84 235.33,40.78 236.55,42 R46.1
/Real-Time MCU/RTIO.AIO4: length 14.2
  Top w0.127: U4.55 235.07,41.17 236.3,42.4 243.25,42.4 244.25,43.4 R44.4
/Real-Time MCU/RTIO.AIO5: length 14.9
  Top w0.127: U4.56 234.68,41.38 236.15,42.85 242.3,42.85 243.4,43.95 R44.3
/Real-Time MCU/RTIO.AIO6: length 15.7